# Altium PCB PCB1.PcbDoc
Units mil, origin at the board's own origin, x right, y up, seen from the top; angles counter-clockwise.
Board outline 3937 x 3937.01 mil, 4 copper layers (Top Layer, GND_02, PWR_03, Bottom Layer), stack 23.756 mil thick; 235 components, 115 nets, 583 pads, 0 vias.
Unrouted connection lines stored in the file: 453.
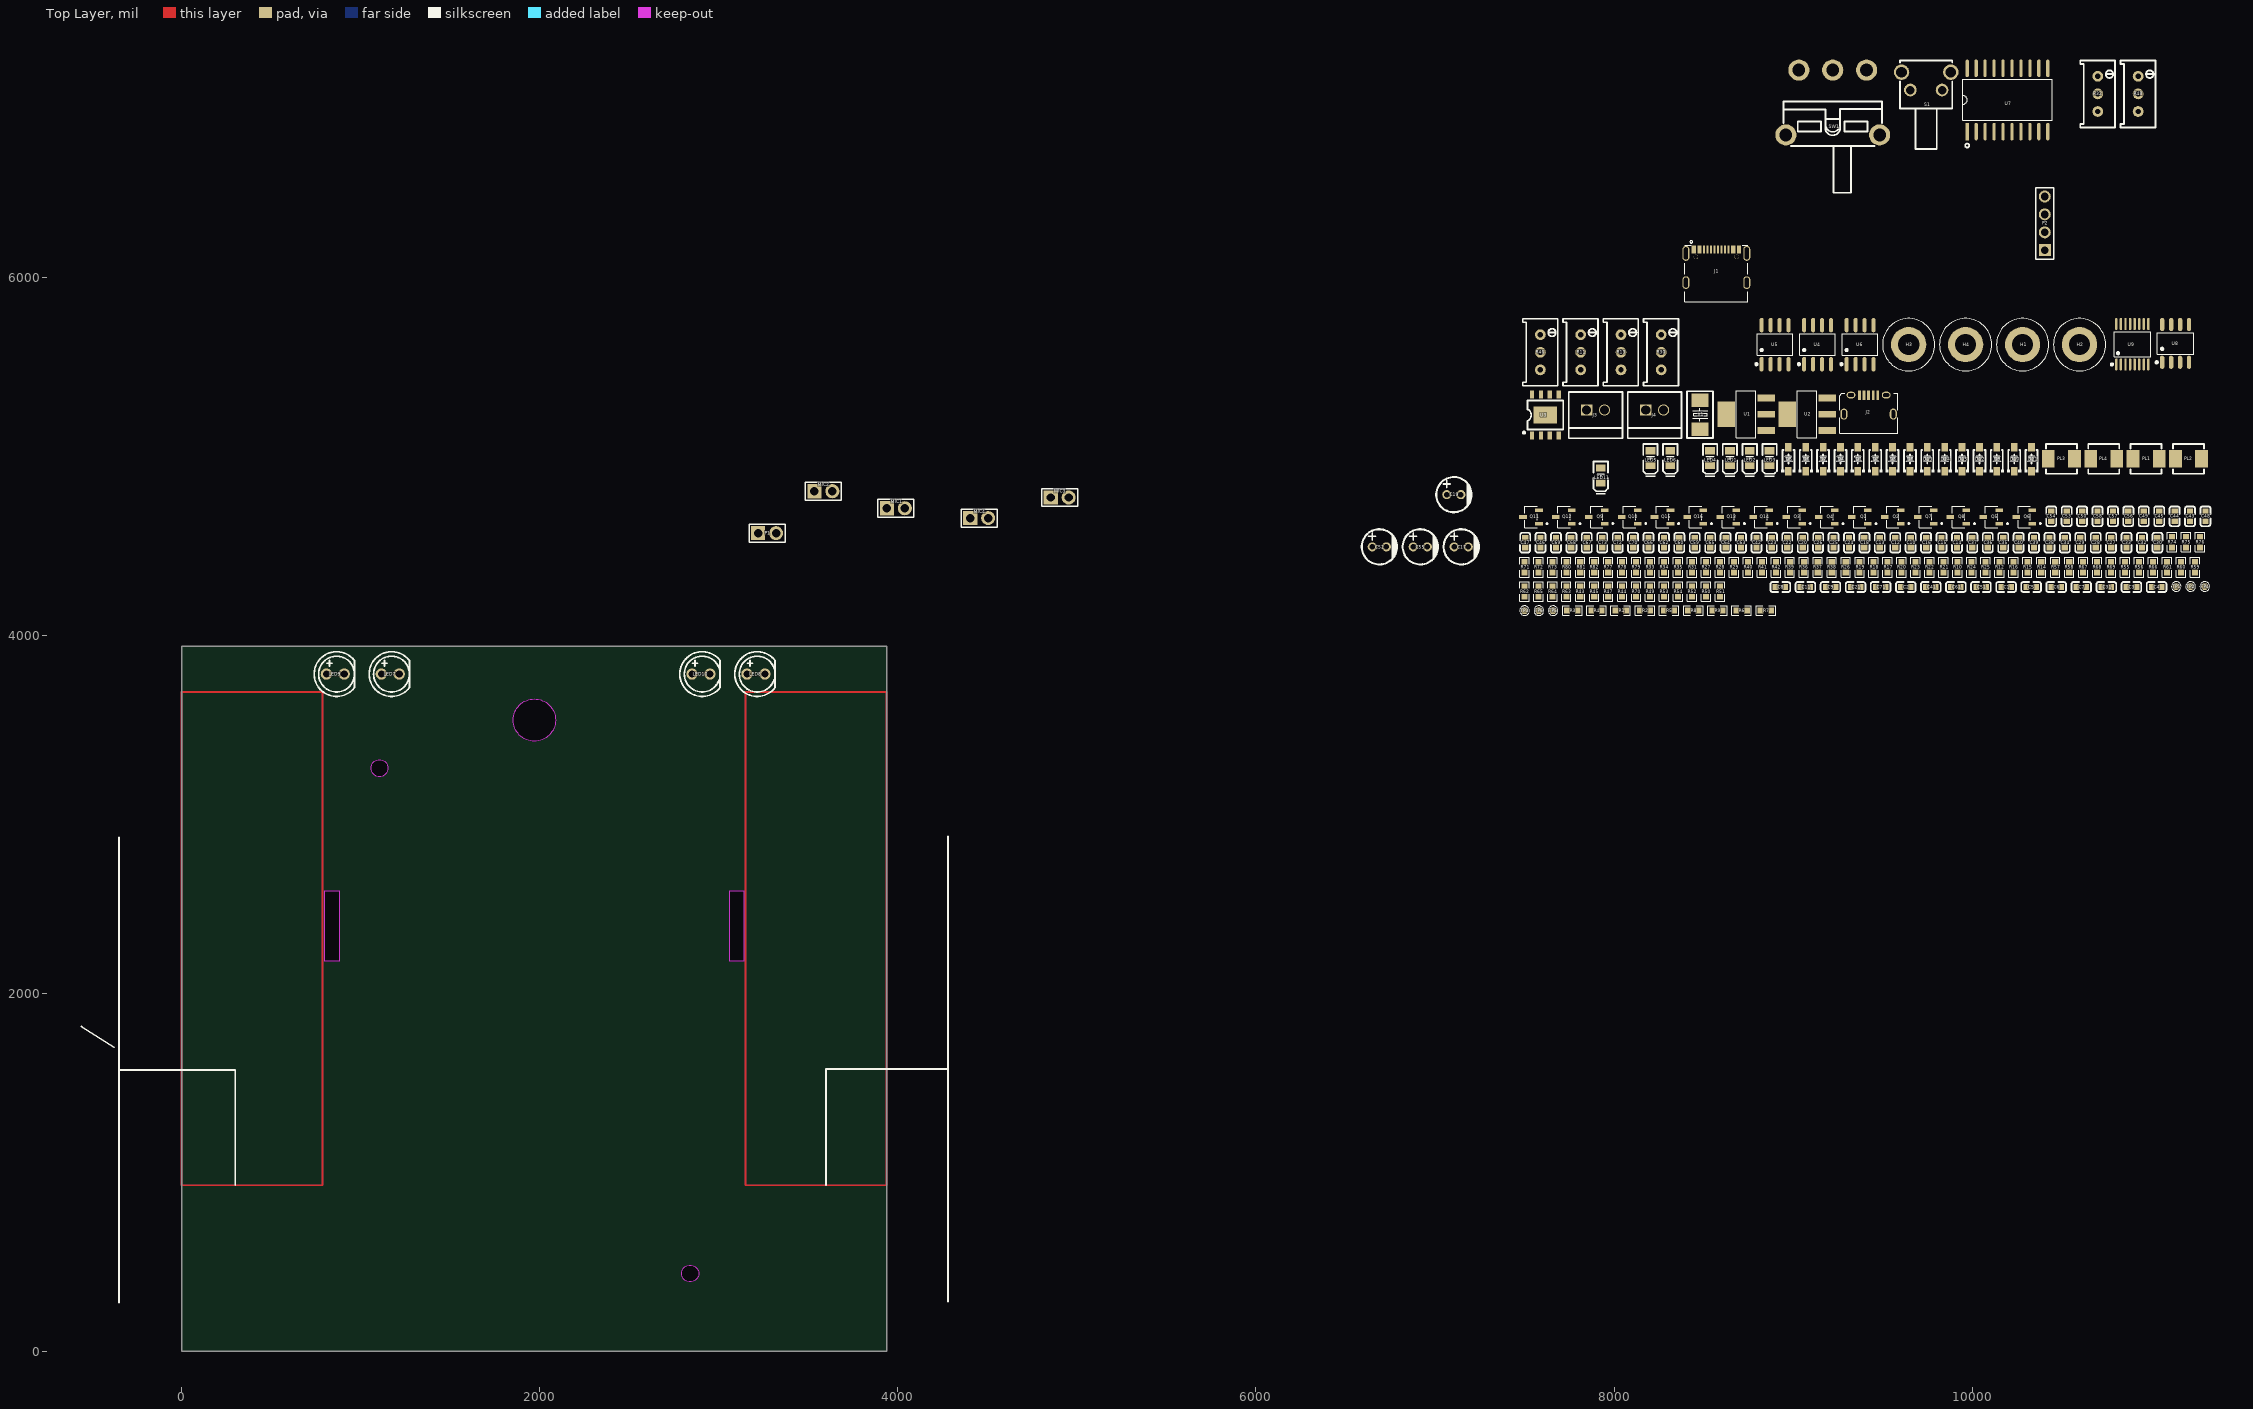
[diagram p0: Top Layer view]
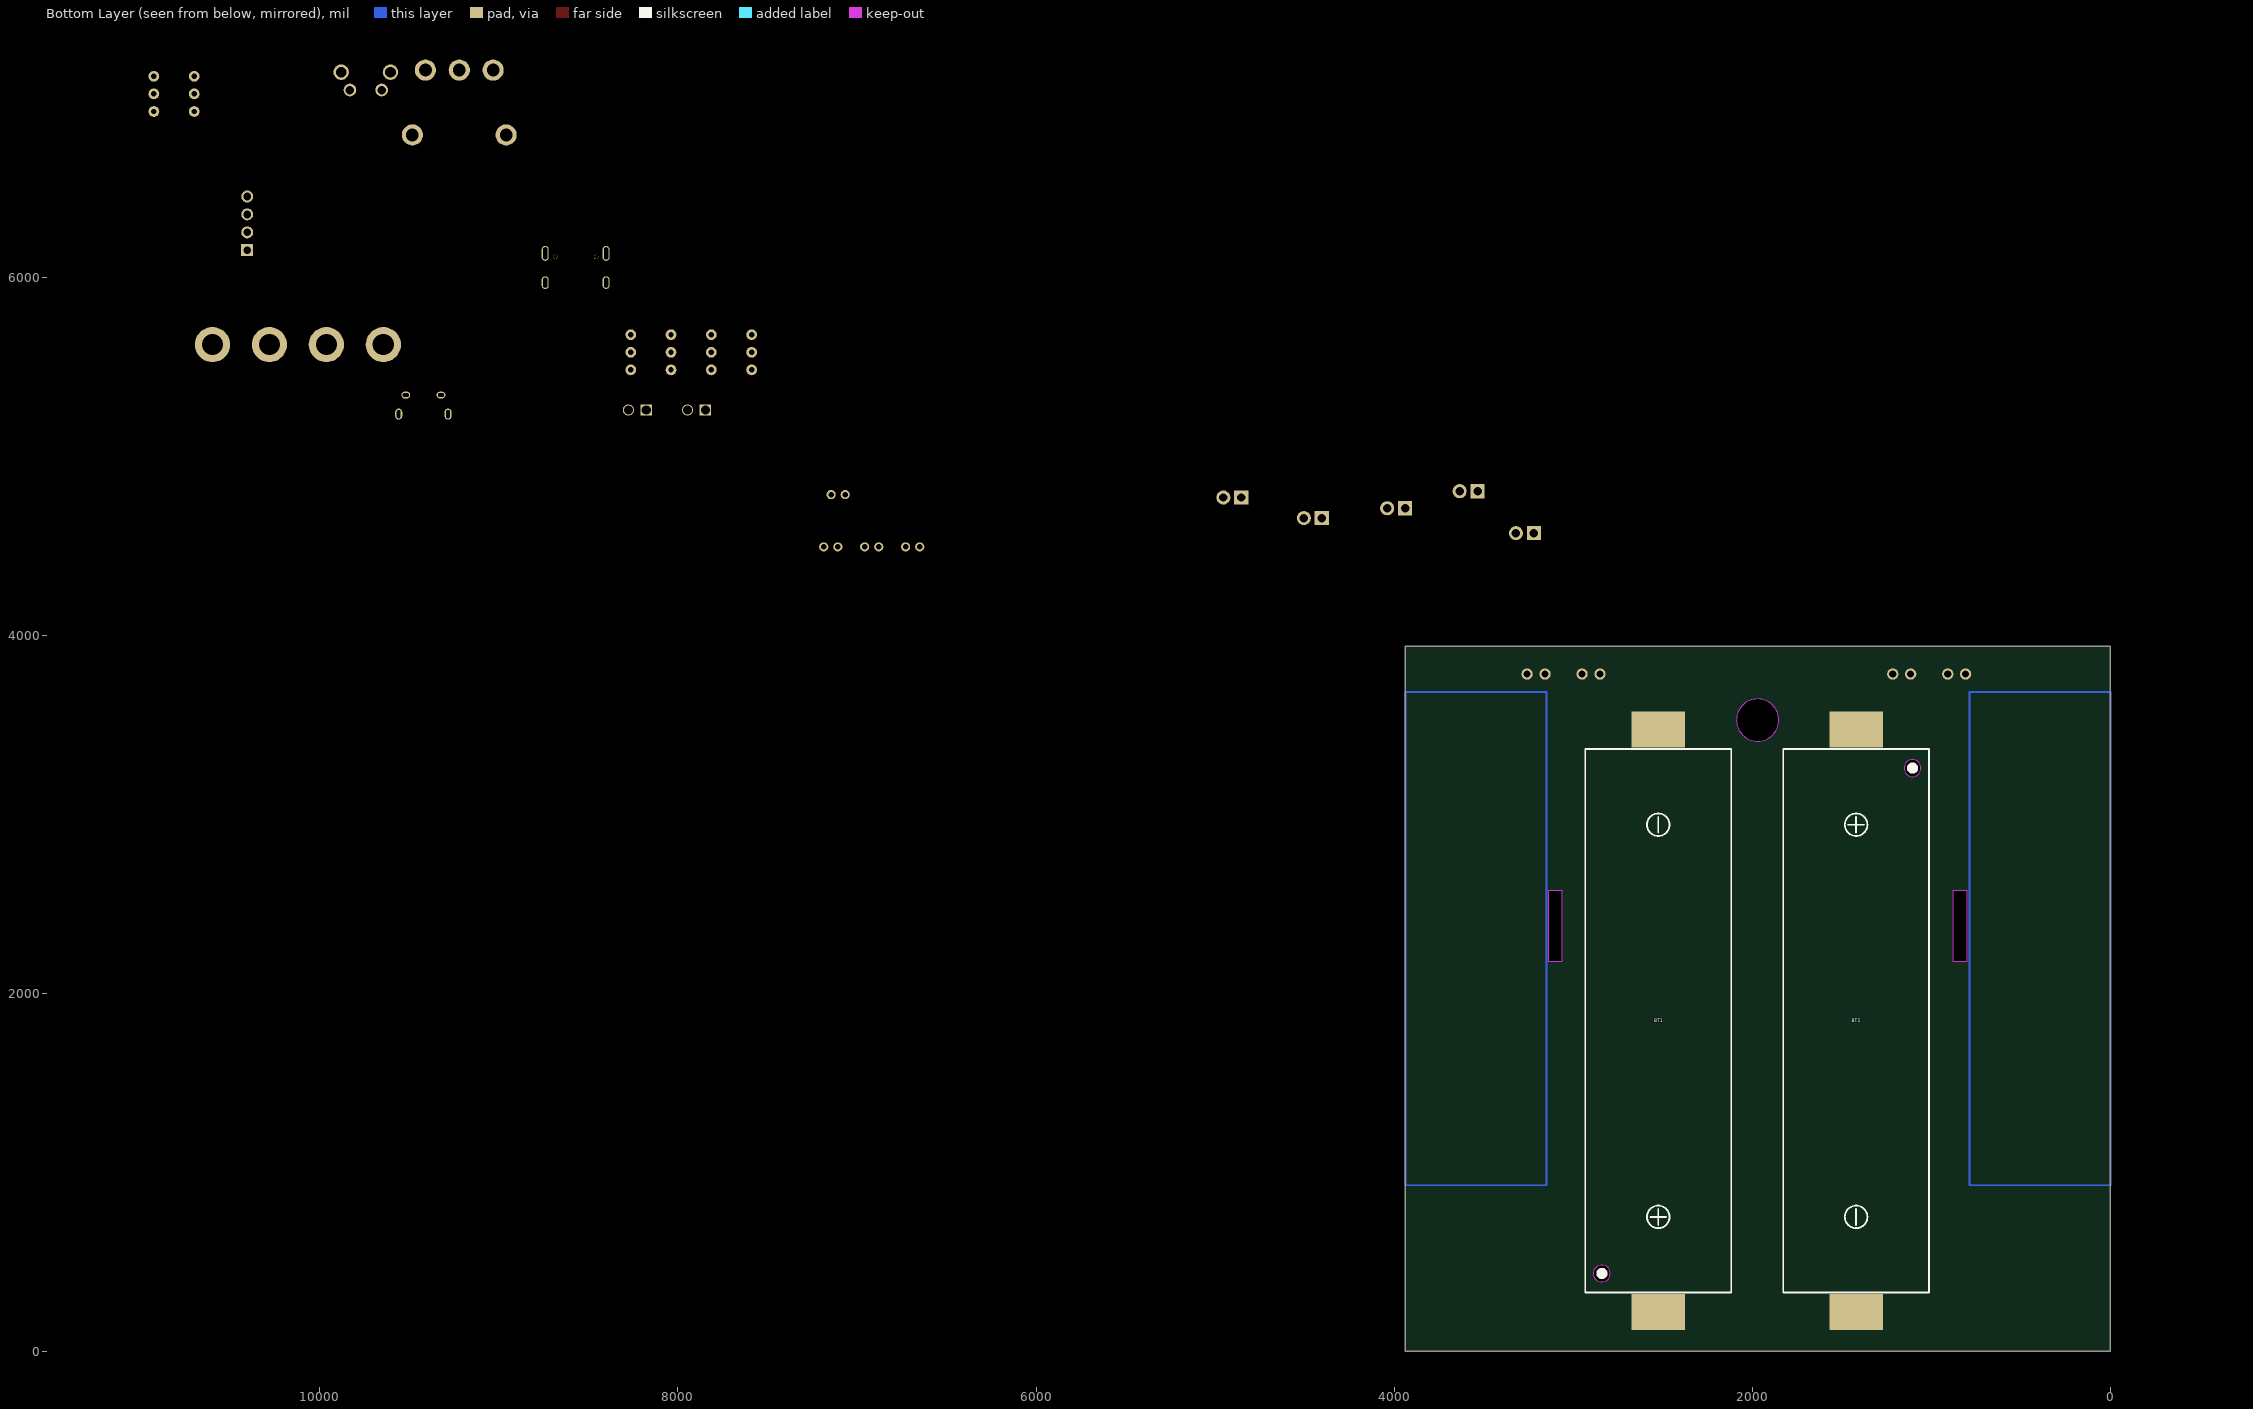
[diagram p1: Bottom Layer view, seen from below]

## Layer stack, top to bottom
Top Solder: solder mask 0.4, Solder Resist, Dk 3.5
Top Layer: signal copper 1.4
Dielectric 2: prepreg 2.8, PP-006, Dk 4.1
GND_02: signal copper 1.378
Dielectric 3: prepreg 2.8, PP-006, Dk 4.1
PWR_03: signal copper 1.378
Dielectric 1: dielectric 12.6, FR-4, Dk 4.8
Bottom Layer: signal copper 1.4
Bottom Solder: solder mask 0.4, Solder Resist, Dk 3.5

## Board outline
0,0 0,3937.01 3937,3937.01 3937,0
cut-out: 1970,3407.89 cw(c1970,3526) 1851.89,3526 cw(c1970,3526) 1970,3644.11 cw(c1970,3526) 2088.11,3526 cw(c1970,3526)
cut-out: 3061.56,2180.15 3061.56,2573.85 3140.3,2573.85 3140.3,2180.15
cut-out: 800.56,2180.15 800.56,2573.85 879.3,2573.85 879.3,2180.15

## Design rules (kind name [scope] priority, off if disabled: settings)
Clearance [All] p1: gap=10 ignorepadtopadclearanceinfootprint=FALSE except(0: Arc-Hole Track-Hole SMDPad-Hole THPad-Hole Via-Hole Fill-Hole Poly-Hole Region-Hole Text-Hole)
DiffPairsRouting [All] p1: maxlimit=10 minlimit=10 mostfreqgap=10 toplayer_minwidth=15 toplayer_maxwidth=15 toplayer_prefwidth=15 midlayer1_minwidth=15 midlayer1_maxwidth=15 midlayer1_prefwidth=15 midlayer2_minwidth=15 midlayer2_maxwidth=15 midlayer2_prefwidth=15 bottomlayer_minwidth=15 bottomlayer_maxwidth=15 bottomlayer_prefwidth=15 maxuncoupledlength=500
PolygonConnect [All] p1: connectstyle=Relief reliefconductorwidth=10 reliefentries=4 polygonreliefangle="90 Angle" airgapwidth=10
RoutingVias [All] p1: holewidth=28 width=50 viastyle="Through Hole" minholewidth=28 minwidth=50 maxholewidth=28 maxwidth=50
SolderMaskExpansion [All] p1: expansion=4 istentingtop=FALSE
Width [All] p1: maxlimit=10 minlimit=10 preferedwidth=10
29 further rules are at their usual default settings.

## Classes and differential pairs
component class 03-MCU: C52 C53 C54 C55 C56 C57 C58 C59 C60 C61 C62 C63 C64 C65 C66 C67 C68 C69 C70 C71 C72 C73 D5 D6 D7 D8 D9 D10 D11 D12 D13 D14 D15 J3 J4 LED7 LED8 LED9 LED10 LED11 P1 P2 Q5 Q6 Q7 Q8 Q9 Q10 Q11 Q12 Q13 Q14 Q15 Q16 R46 R47 R48 R49 R50 R51 R52 R53 R54 R55 R56 R57 R58 R59 R60 R61 R62 R63 R64 R65 R66 R67 R68 R69 R70 R71 R72 R73 R74 R75 R76 R77 R78 R79 R80 R81 R82 S1 TP5 TP6 U6 U7 U8 U9 X1
component class 02-MIC: C26 C27 C28 C29 C30 C31 C32 C33 C34 C35 C36 C37 C38 C39 C40 C41 C42 C43 C44 C45 C46 C47 C48 C49 C50 C51 D1 D2 D3 D4 MIC1 MIC2 MIC3 MIC4 Q1 Q2 Q3 Q4 R8 R9 R10 R11 R12 R13 R14 R15 R16 R17 R18 R19 R20 R21 R22 R23 R24 R25 R26 R27 R28 R29 R30 R31 R32 R33 R34 R35 R36 R37 R38 R39 R40 R41 R42 R43 R44 R45 TP1 TP2 TP3 TP4 U4 U5
component class 01-POWER: BT1 BT2 C1 C2 C3 C4 C5 C6 C7 C8 C9 C10 C11 C12 C13 C14 C15 C16 C17 C18 C19 C20 C21 C22 C23 C24 C25 H1 H2 H3 H4 J1 J2 LED1 LED2 LED3 LED4 LED5 LED6 PL1 PL2 PL3 PL4 R1 R2 R3 R4 R5 R6 R7 SW1 U1 U2 U3
differential pair D: +D_P -D_N

## Components (designator, comment, footprint, x,y, rotation, side; value= is the part's Value field where it differs from the comment)
BT1 "18650" BAT-SMD-18650 2525,1846.5 r0 bottom locked
BT2 "18650" BAT-SMD-18650 1420,1846.5 r180 bottom locked
C1 "10uF" CAP-SMD-0603 10189.11,4268.79 r0 top
C2 "1uF" CAP-SMD-0603 9628.88,4268.79 r0 top
C3 "10uF" CAP-SMD-0603 10889.42,4268.79 r0 top
C4 "22uF" CAP-SMD-0603 11029.48,4268.79 r0 top
C5 "1uF" CAP-SMD-0603 10329.17,4268.79 r0 top
C6 "100nF" CAP-SMD-0603 10469.24,4268.79 r0 top
C7 "10uF" CAP-SMD-0603 10609.3,4268.79 r0 top
C8 "1uF" CAP-SMD-0603 8928.58,4268.79 r0 top
C9 "10uF" CAP-SMD-0603 9208.69,4268.79 r0 top
C10 "22uF" CAP-SMD-0603 9656.19,4517.35 r90 top
C11 "1uF" CAP-SMD-0603 9068.64,4268.79 r0 top
C12 "100nF" CAP-SMD-0603 9570.07,4517.35 r90 top
C13 "22uF" CAP-SMD-0603 9483.95,4517.35 r90 top
C14 "22uF" CAP-SMD-0603 9914.56,4517.35 r90 top
C15 "22uF" CAP-SMD-0603 9828.43,4517.35 r90 top
C16 "22uF" CAP-SMD-0603 9742.31,4517.35 r90 top
C17 "100uF" CAPA-TH-5020-P2.0 7146.12,4493.46 r0 top
C18 "100nF" CAP-SMD-0603 9397.83,4517.35 r90 top
C19 "100uF" CAPA-TH-5020-P2.0 7105,4785 r0 top
C20 "22uF" CAP-SMD-0603 9053.34,4517.35 r90 top
C21 "1uF" CAP-SMD-0603 9348.75,4268.79 r0 top
C22 "100nF" CAP-SMD-0603 8967.22,4517.35 r90 top
C23 "10uF" CAP-SMD-0603 8881.1,4517.35 r90 top
C24 "10uF" CAP-SMD-0603 9311.71,4517.35 r90 top
C25 "22uF" CAP-SMD-0603 9225.59,4517.35 r90 top
C26 "100nF" CAP-SMD-0603 9139.47,4517.35 r90 top
C27 "82nF_NC" CAP-SMD-0603 10775.76,4517.35 r90 top
C28 "82nF_NC" CAP-SMD-0603 10689.64,4517.35 r90 top
C29 "82nF_NC" CAP-SMD-0603 10603.52,4517.35 r90 top
C30 "82nF_NC" CAP-SMD-0603 11034.13,4517.35 r90 top
C31 "10uF" CAP-SMD-0603 10749.35,4268.79 r0 top
C32 "10uF" CAP-SMD-0603 10948.01,4517.35 r90 top
C33 "10uF" CAP-SMD-0603 10861.89,4517.35 r90 top
C34 "10uF" CAP-SMD-0603 10517.4,4517.35 r90 top
C35 "82nF" CAP-SMD-0603 10172.92,4517.35 r90 top
C36 "82nF" CAP-SMD-0603 10086.8,4517.35 r90 top
C37 "10uF" CAP-SMD-0603 10000.68,4517.35 r90 top
C38 "10uF" CAP-SMD-0603 10431.28,4517.35 r90 top
C39 "82nF_NC" CAP-SMD-0603 10345.16,4517.35 r90 top
C40 "100nF" CAP-SMD-0603 10259.04,4517.35 r90 top
C41 "82nF_NC" CAP-SMD-0603 9768.93,4268.79 r0 top
C42 "82nF_NC" CAP-SMD-0603 8794.98,4517.35 r90 top
C43 "82nF_NC" CAP-SMD-0603 11216.42,4664.31 r90 top
C44 "10uF" CAP-SMD-0603 11130.3,4664.31 r90 top
C45 "10uF" CAP-SMD-0603 11044.17,4664.31 r90 top
C46 "82nF" CAP-SMD-0603 7589.29,4517.35 r90 top
C47 "10uF" CAP-SMD-0603 7503.17,4517.35 r90 top
C48 "10uF" CAP-SMD-0603 11302.54,4664.31 r90 top
C49 "10uF" CAP-SMD-0603 10958.05,4664.31 r90 top
C50 "82nF" CAP-SMD-0603 10613.57,4664.31 r90 top
C51 "10uF" CAP-SMD-0603 10049.06,4268.79 r0 top
C52 "100uF" CAPA-TH-5020-P2.0 6688.78,4493.46 r0 top
C53 "10uF" CAP-SMD-0603 10527.45,4664.31 r90 top
C54 "100nF" CAP-SMD-0603 10441.33,4664.31 r90 top
C55 "100uF" CAPA-TH-5020-P2.0 6917.45,4493.46 r0 top
C56 "10uF" CAP-SMD-0603 10871.93,4664.31 r90 top
C57 "100nF" CAP-SMD-0603 10785.81,4664.31 r90 top
C58 "100nF" CAP-SMD-0603 10699.69,4664.31 r90 top
C59 "100nF" CAP-SMD-0603 8450.5,4517.35 r90 top
C60 "100nF" CAP-SMD-0603 8364.38,4517.35 r90 top
C61 "100nF" CAP-SMD-0603 9909,4268.79 r0 top
C62 "100nF" CAP-SMD-0603 8278.26,4517.35 r90 top
C63 "100nF" CAP-SMD-0603 8708.86,4517.35 r90 top
C64 "10uF" CAP-SMD-0603 8622.74,4517.35 r90 top
C65 "1uF" CAP-SMD-0603 8536.62,4517.35 r90 top
C66 "100nF" CAP-SMD-0603 8192.14,4517.35 r90 top
C67 "100nF" CAP-SMD-0603 7847.65,4517.35 r90 top
C68 "100nF" CAP-SMD-0603 7761.53,4517.35 r90 top
C69 "10uF" CAP-SMD-0603 7675.41,4517.35 r90 top
C70 "12pF" CAP-SMD-0603 8106.01,4517.35 r90 top
C71 "12pF" CAP-SMD-0603 9488.82,4268.79 r0 top
C72 "100nF" CAP-SMD-0603 8019.89,4517.35 r90 top
C73 "20uF" CAP-SMD-0603 7933.77,4517.35 r90 top
D1 "1N4007" SOD-123-P3.4 9361.17,4981.71 r90 top
D2 "1N4007" SOD-123-P3.4 9458.17,4981.71 r90 top
D3 "1N4007" SOD-123-P3.4 9555.17,4981.71 r90 top
D4 "1N4007" SOD-123-P3.4 9264.17,4981.71 r90 top
D5 "SS14" SOD-123-P3.4 8973.17,4981.71 r90 top
D6 "SS14" SOD-123-P3.4 9070.17,4981.71 r90 top
D7 "SS14" SOD-123-P3.4 9167.17,4981.71 r90 top
D8 "SS14" SOD-123-P3.4 9652.17,4981.71 r90 top
D9 "SS14" SOD-123-P3.4 10137.17,4981.71 r90 top
D10 "SS14" SOD-123-P3.4 10234.17,4981.71 r90 top
D11 "SS14" SOD-123-P3.4 10331.17,4981.71 r90 top
D12 "SS14" SOD-123-P3.4 10040.17,4981.71 r90 top
D13 "SS14" SOD-123-P3.4 9749.17,4981.71 r90 top
D14 "1N4007" SOD-123-P3.4 9846.17,4981.71 r90 top
D15 "1N4007" SOD-123-P3.4 9943.17,4981.71 r90 top
H1 "M3" M3-5030-0.3 10281.18,5622.97 r0 top
H2 "M3" M3-5030-0.3 10599.24,5622.97 r0 top
H3 "M3" M3-5030-0.3 9645.06,5622.97 r0 top
H4 "M3" M3-5030-0.3 9963.12,5622.97 r0 top
J1 "TYPE-C-16P" TYPE-C-SMD-16P 8570.79,6061.99 r0 top
J2 "Microusb" MICROUSB-SMD-5P 9421.21,5288.05 r0 top
J3 "CONN-2P" CONN-TH-CDS-1X2P-P2.54 7896.39,5257.6 r0 top
J4 "CONN-2P" CONN-TH-CDS-1X2P-P2.54 8226.39,5257.6 r0 top
LED1 "25%" LED-SMD-0805 8646.62,4988.76 r90 top
LED2 "50%" LED-SMD-0805 8757.62,4988.76 r90 top
LED3 "75%" LED-SMD-0805 8868.62,4988.76 r90 top
LED4 "100%" LED-SMD-0805 8535.62,4988.76 r90 top
LED5 "LED" LED-SMD-0805 8202.62,4988.76 r90 top
LED6 "LED" LED-SMD-0805 8313.62,4988.76 r90 top
LED7 "LED" LED-TH-D5.0-P2.54 1165.3,3783 r0 top locked
LED8 "LED" LED-TH-D5.0-P2.54 3207.3,3783 r0 top locked
LED9 "LED" LED-TH-D5.0-P2.54 858.3,3783 r0 top locked
LED10 "LED" LED-TH-D5.0-P2.54 2900.3,3783 r0 top locked
LED11 "LED" LED-SMD-0805 7925,4891.35 r90 top
MIC1 "MIC" CONN-TH-1X2P-P2.54_2 3990,4745 r0 top
MIC2 "MIC" CONN-TH-1X2P-P2.54_2 3585,4840 r0 top
MIC3 "MIC" CONN-TH-1X2P-P2.54_2 4905,4805 r0 top
MIC4 "MIC" CONN-TH-1X2P-P2.54_2 4455,4690 r0 top
P1 "CONN-HDR-1x2P" CONN-TH-1X2P-P2.54 3270,4570 r0 top
P2 "CONN-HDR-1x4P" CONN-TH-1X4P-P2.54 10405,6300 r90 top
PL1 "1206_0R_NC" PL-SMD_4.4X4.2-P3.7 10970.92,4984.51 r0 top
PL2 "1206_0R_NC" PL-SMD_4.4X4.2-P3.7 11207.42,4984.51 r0 top
PL3 "1uH" PL-SMD_4.4X4.2-P3.7 10497.92,4984.51 r0 top
PL4 "1206_0R" PL-SMD_4.4X4.2-P3.7 10734.42,4984.51 r0 top
Q1 "SS8050" SOT-23-3-LP2.28-P1.91 9372.1,4660.56 r0 top
Q2 "SS8050" SOT-23-3-LP2.28-P1.91 9555.74,4660.56 r0 top
Q3 "SS8050" SOT-23-3-LP2.28-P1.91 9004.83,4660.56 r0 top
Q4 "SS8050" SOT-23-3-LP2.28-P1.91 9188.47,4660.56 r0 top
Q5 "SS8550" SOT-23-3-LP2.28-P1.91 10106.64,4660.56 r0 top
Q6 "SS8550" SOT-23-3-LP2.28-P1.91 10290.28,4660.56 r0 top
Q7 "SS8550" SOT-23-3-LP2.28-P1.91 9739.37,4660.56 r0 top
Q8 "SS8550" SOT-23-3-LP2.28-P1.91 9923.01,4660.56 r0 top
Q9 "SS8050" SOT-23-3-LP2.28-P1.91 7903.02,4660.56 r0 top
Q10 "SS8050" SOT-23-3-LP2.28-P1.91 8086.66,4660.56 r0 top
Q11 "SS8050" SOT-23-3-LP2.28-P1.91 7535.75,4660.56 r0 top
Q12 "SS8050" SOT-23-3-LP2.28-P1.91 7719.39,4660.56 r0 top
Q13 "SS8050" SOT-23-3-LP2.28-P1.91 8637.56,4660.56 r0 top
Q14 "SS8050" SOT-23-3-LP2.28-P1.91 8821.2,4660.56 r0 top
Q15 "SS8050" SOT-23-3-LP2.28-P1.91 8270.29,4660.56 r0 top
Q16 "SS8050" SOT-23-3-LP2.28-P1.91 8453.93,4660.56 r0 top
R1 "5.1K" RES-SMD-0603 8036.88,4137.89 r0 top
R2 "5.1K" RES-SMD-0603 8171.94,4137.89 r0 top
R3 "2R" RES-SMD-0603 7766.75,4137.89 r0 top
R4 "1K" RES-SMD-0603 7901.81,4137.89 r0 top
R5 "0.5R" RES-SMD-0603 8307,4137.89 r0 top
R6 "1K" RES-SMD-0603 8712.19,4137.89 r0 top
R7 "0805_0R_NC" RES-SMD-0603 8847.25,4137.89 r0 top
R8 "10R" RES-SMD-0603 8442.06,4137.89 r0 top
R9 "100K" RES-SMD-0603 8577.12,4137.89 r0 top
R10 "100K" RES-SMD-0603 9917.5,4379.49 r90 top
R11 "100K" RES-TH-ADJ-3396W 7813.3,5580 r0 top
R12 "10K" RES-SMD-0603 10151.55,4379.49 r90 top
R13 "100K" RES-TH-ADJ-3396W 8038.2,5580 r0 top
R14 "10K" RES-SMD-0603 10385.6,4379.49 r90 top
R15 "1K" RES-SMD-0603 10307.58,4379.49 r90 top
R16 "1K" RES-SMD-0603 10229.57,4379.49 r90 top
R17 "100R" RES-SMD-0603 9527.42,4379.49 r90 top
R18 "100R" RES-SMD-0603 9449.41,4379.49 r90 top
R19 "100R" RES-SMD-0603 9371.39,4379.49 r90 top
R20 "100R" RES-SMD-0603 9605.44,4379.49 r90 top
R21 "10K" RES-SMD-0603 9839.49,4379.49 r90 top
R22 "10K" RES-SMD-0603 9761.47,4379.49 r90 top
R23 "1K" RES-SMD-0603 9683.46,4379.49 r90 top